# Altium PCB PowerTowerAdapterUltraZohm.PcbDoc (part 2 of 2)
Units mm, origin at the board's own origin, x right, y up, seen from the top; angles counter-clockwise.
Board outline 164 x 103.5 mm, 4 copper layers (Top Copper, Ground Plane 2, Ground Plane, Bottom Copper), stack 1.605 mm thick; 131 components, 138 nets, 436 pads, 107 vias.
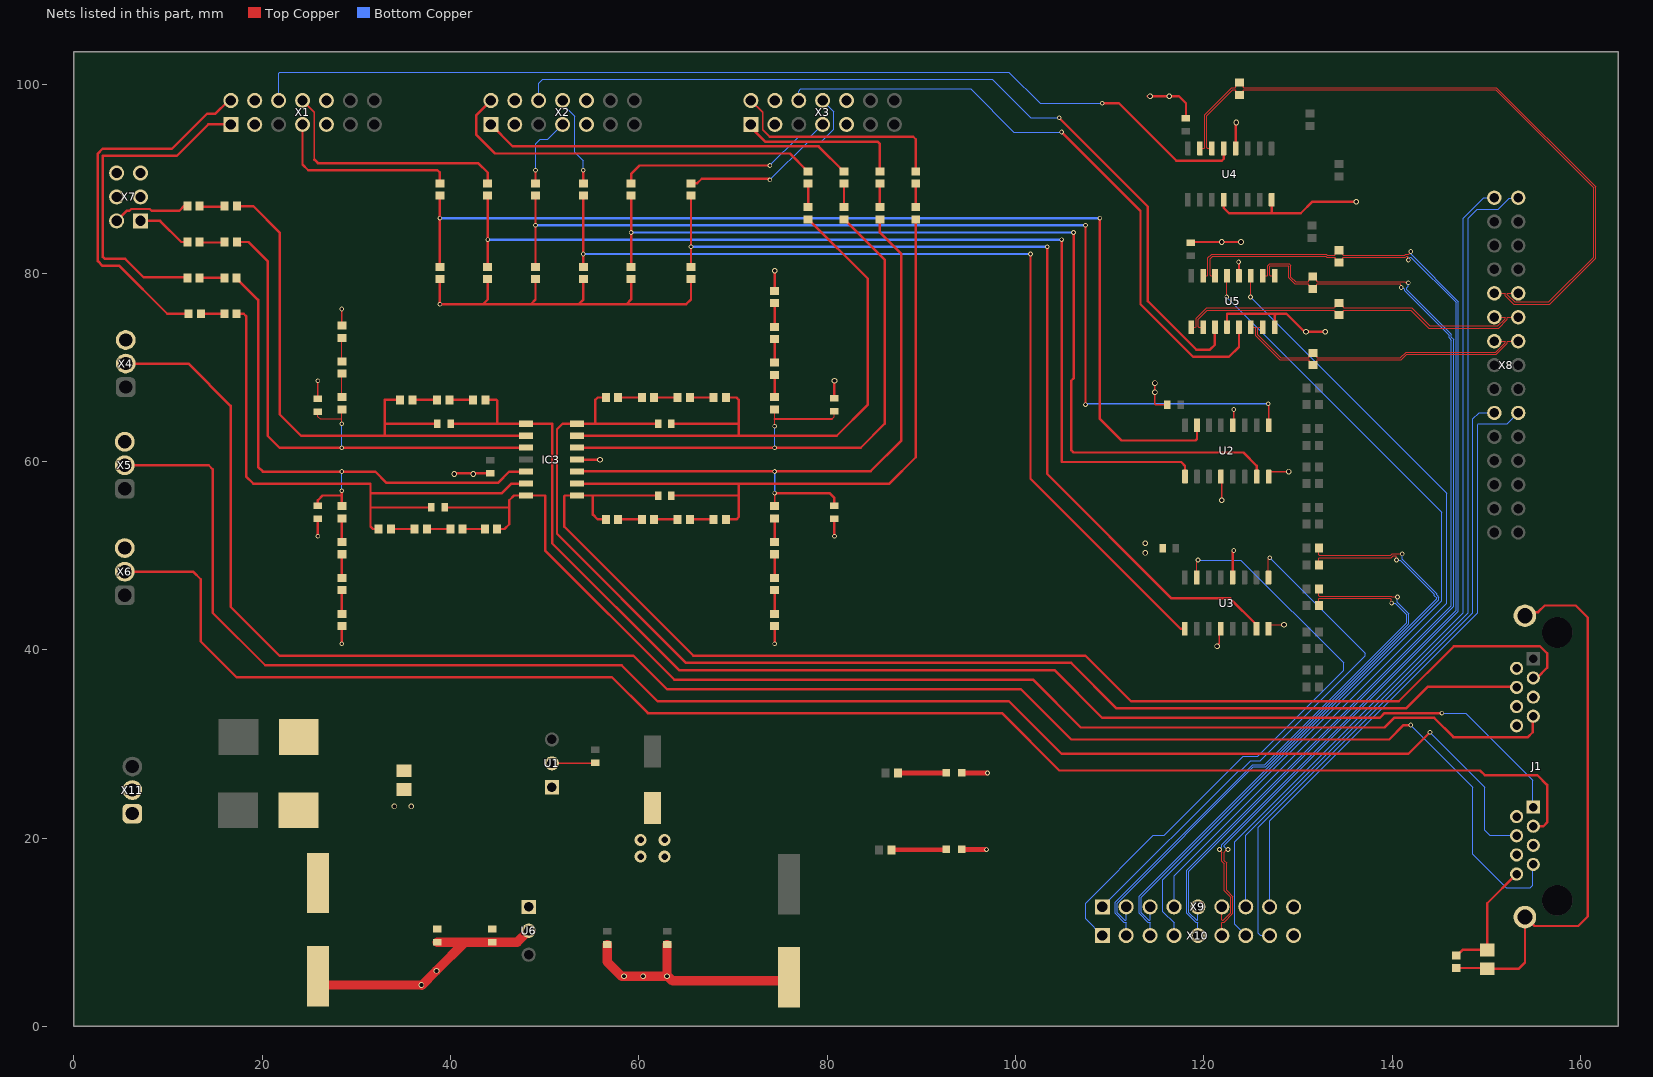
[diagram p4: the nets of this part, all layers, seen from the top]

## Via types
v1: diameter 0.5, hole 0.3, Top Copper to Bottom Copper, 62 vias
v2: diameter 0.6, hole 0.4, Top Copper to Bottom Copper, 36 vias
v3: diameter 1.27, hole 0.711, Top Copper to Bottom Copper, 4 vias
v4: diameter 5.016, hole 4, Top Copper to Bottom Copper, 4 vias
v5: diameter 4, hole 4, Top Copper to Bottom Copper, 1 vias

## Nets (pads, with @x,y where several pads share a name; then routed paths per layer and width w, separated by ;. In a path a pad name is that pad's centre, name@x,y a point inside that pad or via, vN(x,y) a via of type N, cw(c..) or ccw(c..) an arc to the next point about the centre after c; other vN are vias at no path point) (continued)
G4: U4.13 X1.6 | length 108.4
  Top Copper w0.254: v1(109.22,98.044) 110.998,98.044 117.094,91.948 121.92,91.948 122.12,92.148 U4.13@122.12,93.25
  Bottom Copper w0.13: X1.6@21.74,98.34 21.74,101.239 21.85,101.349 99.308,101.349 102.613,98.044 v1(109.22,98.044)
G4_N: R66.1 U4.15 X8.20 | length 72.7
  Top Copper w0.101: U4.15@119.58,93.25 120.042,93.25 120.101,93.309 120.101,96.827 122.988,99.714 123.336,99.714 123.395,99.773 123.395,99.875 123.769,100.25 R66.1@123.8,100.25 123.831,100.25 124.205,99.875 124.205,99.773 124.264,99.714 151.086,99.714 161.64,89.16 161.64,81.606 156.752,76.718 152.922,76.718 152.016,77.624 152.016,77.801 151.957,77.86 X8.20@150.86,77.86
G4_P: R66.2 U4.14 X8.5 | length 71.2
  Top Copper w0.101: U4.14@120.85,93.25 120.388,93.25 120.329,93.309 120.329,96.733 123.082,99.486 123.336,99.486 123.395,99.427 123.395,99.325 123.769,98.95 R66.2@123.8,98.95 123.831,98.95 124.205,99.325 124.205,99.427 124.264,99.486 150.992,99.486 161.412,89.066 161.412,81.7 156.658,76.945 153.016,76.945 152.244,77.718 152.244,77.801 152.303,77.86 X8.5@153.4,77.86
G5: U5.3 X2.6 | length 93.7
  Top Copper w0.254: v1(104.648,96.52) 104.648,96.477 114.046,87.079 114.046,77.038 114.413,76.671 119.202,71.882 120.65,71.882 121.158,72.39 121.158,74.238 U5.3@121.195,74.275
  Bottom Copper w0.13: X2.6@49.36,98.34 49.36,100.16 49.784,100.584 97.536,100.584 101.6,96.52 v1(104.648,96.52)
G5_N: R62.1 U5.1 X8.21 | length 37.7
  Top Copper w0.101: U5.1@118.655,74.275 119.117,74.275 119.176,74.334 119.176,75.197 120.293,76.314 133.882,76.314 133.941,76.373 133.941,76.475 134.316,76.85 134.416,76.85 134.791,76.475 134.791,76.373 134.85,76.314 142.091,76.314 143.999,74.405 151.244,74.405 152.016,75.178 152.016,75.261 151.957,75.32 X8.21@150.86,75.32
G5_P: R62.2 U5.2 X8.6 | length 37.7
  Top Copper w0.101: U5.2@119.925,74.275 119.463,74.275 119.404,74.334 119.404,75.103 120.387,76.086 133.882,76.086 133.941,76.027 133.941,75.925 134.316,75.55 134.416,75.55 134.791,75.925 134.791,76.027 134.85,76.086 141.996,76.086 143.905,74.178 151.338,74.178 152.244,75.084 152.244,75.261 152.303,75.32 X8.6@153.4,75.32
G6: U5.5 X3.6 | length 68
  Top Copper w0.254: v1(104.902,94.996) 113.284,86.614 113.284,76.708 118.872,71.12 122.682,71.12 123.735,72.173 U5.5@123.735,74.275
  Bottom Copper w0.13: X3.6@76.98,98.34 76.962,98.358 76.962,99.314 77.216,99.568 95.25,99.568 99.822,94.996 v1(104.902,94.996)
G6_N: R64.1 U5.7 X8.22 | length 31.1
  Top Copper w0.101: U5.7@126.275,74.275 125.813,74.275 125.754,74.216 125.754,73.447 128.187,71.014 131.136,71.014 131.195,71.073 131.195,71.175 131.569,71.55 R64.1@131.6,71.55 131.631,71.55 132.005,71.175 132.005,71.073 132.064,71.014 140.882,71.014 141.478,71.61 150.988,71.61 152.016,72.638 152.016,72.721 151.957,72.78 X8.22@150.86,72.78
G6_P: R64.2 U5.6 X8.7 | length 31.8
  Top Copper w0.101: U5.6@125.005,74.275 125.467,74.275 125.526,74.216 125.526,73.353 128.093,70.786 131.136,70.786 131.195,70.727 131.195,70.625 131.569,70.25 R64.2@131.6,70.25 131.631,70.25 132.005,70.625 132.005,70.727 132.064,70.786 140.977,70.786 141.573,71.382 151.082,71.382 152.244,72.544 152.244,72.721 152.303,72.78 X8.7@153.4,72.78
GND: C1.1 C2.1 C3.2 C4.1 C5.1 C6.1 C7.1 C8.2 C9.2 C10.1 C11.1 C12.1 C13.1 C14.1 C18.2 C19.2 C20.1 C23.2 C24.2 D2.1 D3.1 IC3.11 J1.A2 J1.A5 J1.A6 J1.A8 J1.B2 J1.B5 J1.B6 J1.B8 R3.2 R5.2 R7.2 R9.2 R11.2 R13.2 R18.2 R19.2 R58.2 R59.2 R85.1 U1.2 U2.4 U2.8 U2.12 U3.4 U3.8 U3.12 U4.4 U4.8 U4.12 U5.4 U5.8 U5.12 U6.2 X1.3 X1.4 X1.9 X1.10 X2.3 X2.4 X2.9 X2.10 X3.3 X3.4 X3.9 X3.10 X4.3 X5.3 X6.3 X7.3 X7.4 X9.9 X10.9 X11.1 X11.2 | length 205.6
  Top Copper w0.13: U3.8@126.873,42.233 126.873,42.437 127.108,42.672 v2(128.524,42.672)
  Top Copper w0.15: C18.2@25.908,66.678 v1(25.908,68.58) ; R19.2@28.448,74.422 v1(28.448,76.2) ; U1.2@50.764,27.94 55.31,27.94 C2.1@55.372,28.002 ; v1@96.898,18.796 v1(96.914,18.78) ; v2@114.808,68.58 v2(114.808,67.354) 114.808,66.128 114.896,66.04 C4.1@116.14,66.04 ; v2(121.412,40.386) 121.412,40.508 121.619,40.715 121.619,42.059 U3.4@121.793,42.233 ; U2.4@121.82,58.4 121.92,58.3 v2(121.92,55.88) ; U2.12@123.09,63.85 123.19,63.95 v1(123.19,65.532) ; U2.8@126.9,58.4 126.9,58.703 127.125,58.928 v2(129.032,58.928)
  Top Copper w0.254: v1(25.908,52.07) C23.2@25.908,53.91 ; v1(28.448,40.64) R58.2@28.448,42.53 ; R3.2@38.862,79.36 v1(38.862,76.708) 43.434,76.708 ; v2@40.386,58.736 C20.1@44.196,58.736 ; R5.2@43.942,79.36 43.942,77.216 43.434,76.708 ; R7.2@49.022,79.36 49.022,77.216 48.514,76.708 ; IC3.11@53.43,60.198 v2(55.88,60.198) ; R9.2@54.102,79.36 54.102,77.216 53.594,76.708 ; R11.2@59.182,79.36 59.182,77.216 58.674,76.708 ; R13.2@65.532,79.36 65.532,77.216 65.024,76.708 58.674,76.708 ; v1(74.422,40.64) R59.2@74.422,42.53 ; R18.2@74.422,78.12 v2(74.422,80.264) ; v1(80.772,52.07) C24.2@80.772,53.91 ; C19.2@80.772,66.74 v2(80.772,68.58) ; v2@114.046,98.806 v2(114.3,98.806) v2(116.332,98.806) 117.348,98.806 118.11,98.044 C7.1@118.11,96.458 ; C6.1@118.618,83.25 118.68,83.312 v2(121.92,83.312) 123.84,83.312 v2@123.952,83.2 ; U4.4@122.12,87.8 122.12,86.922 122.682,86.36 127.174,86.36 ; U5.4@122.465,74.275 122.465,75.692 127.725,75.692 ; U3.12@123.063,47.683 123.063,50.419 v1(123.19,50.546) ; U4.12@123.39,93.25 123.39,95.958 v2(123.444,96.012) ; v1(123.7,81.2) 123.735,81.165 U5.12@123.735,79.725 ; U4.8@127.2,87.8 127.2,86.386 127.174,86.36 ; U5.8@127.545,74.275 127.545,75.512 127.725,75.692 ; v2(132.896,73.784) v2(130.864,73.784) 130.686,73.784 128.778,75.692 127.725,75.692 ; v2(136.2,87.6) 131.542,87.6 130.302,86.36 127.174,86.36 ; R85.1@146.812,7.508 146.862,7.508 147.482,8.128 150.098,8.128 C14.1@150.114,8.112 150.114,13.08 J1.A8@153.222,16.188 ; 43.434,76.708 48.514,76.708 ; 48.514,76.708 53.594,76.708 ; 53.594,76.708 58.674,76.708
  Top Copper w0.5: D3.1@94.272,18.796 v1@96.898,18.796 ; D2.1@94.272,26.924 v1(97.028,26.924)
  Top Copper w1: C9.2@25.908,5.334 25.908,5.075 26.583,4.4 v2(36.9,4.4) ; v2@36.938,4.362 v2@38.488,5.912 ; v2(38.5,5.9) v2@38.488,5.912 ; C10.1@38.608,8.952 41.529,8.952 ; U6.2@48.296,10.16 47.088,8.952 C11.1@44.45,8.952 41.529,8.952 ; C12.1@56.642,8.698 56.642,6.858 58.166,5.334 v2(58.42,5.334) v2(60.452,5.334) 62.904,5.334 v2@62.992,5.422 ; C13.1@62.992,8.698 v2@62.992,5.422 ; C8.2@75.946,5.21 75.572,4.836 63.578,4.836 v2@62.992,5.422 ; v2@38.488,5.912 41.529,8.952
  other v2: 62.992,5.334 34.036,23.368 35.814,23.368 113.792,50.292 113.792,51.308 40.386,58.674 42.418,58.674 114.808,68.326 123.952,83.312
  other v3: 60.198,18.034 62.738,18.034 60.198,19.812 62.738,19.812
I_U: J1.A7 X4.2 | length 192.8
  Top Copper w0.254: X4.2@5.5,70.4 12.15,70.4 16.637,65.913 16.637,44.577 21.844,39.37 59.436,39.37 62.992,35.814 100.584,35.814 105.918,30.48 139.7,30.48 141.224,32.004 v1(141.986,32.004)
  Bottom Copper w0.13: v1(141.986,32.004) 148.59,25.4 148.59,18.288 152.146,14.732 154.686,14.732 154.94,14.986 154.94,17.144 J1.A7@155,17.204
I_V: J1.A4 X5.2 | length 177.6
  Top Copper w0.254: X5.2@5.4,59.6 14.314,59.6 14.732,59.182 14.732,43.942 20.32,38.354 58.166,38.354 61.976,34.544 99.314,34.544 104.902,28.956 141.732,28.956 v1(144.018,31.242)
  Bottom Copper w0.13: v1(144.018,31.242) 149.86,25.4 149.86,20.828 150.368,20.32 153.154,20.32 J1.A4@153.222,20.252
I_W: J1.A3 X6.2 | length 170
  Top Copper w0.254: X6.2@5.4,48.3 12.7,48.3 12.7,48.26 13.462,47.498 13.462,40.894 17.272,37.084 57.15,37.084 60.96,33.274 98.552,33.274 104.648,27.178 149.352,27.178 149.86,26.67 155.448,26.67 156.464,25.654 156.464,21.666 156.066,21.268 J1.A3@155,21.268
IN_U3C: U3.9 X9.1 | length 55.8
  Top Copper w0.13: U3.9@126.873,47.683 126.873,49.657 v1(127,49.784)
  Bottom Copper w0.13: X9.1@109.22,12.7 123.698,27.178 123.952,27.178 124.968,28.194 125.984,28.194 137.16,39.37 137.16,39.624 v1(127,49.784)
IN_U3D: U3.15 X10.1 | length 64.5
  Top Copper w0.13: U3.15@119.253,47.683 119.253,49.403 v1(119.38,49.53)
  Bottom Copper w0.13: X10.1@109.22,9.652 107.442,11.43 107.442,13.081 114.655,20.294 115.798,20.294 124.206,28.702 125.73,28.702 134.874,37.846 134.874,38.608 123.952,49.53 v1(119.38,49.53)
IN_U5C_N: R79.1 U5.9 X10.5 | length 101.3
  Top Copper w0.101: U5.9@127.545,79.725 127.083,79.725 127.024,79.784 127.024,80.713 127.083,80.772 128.973,80.772 129.032,80.713 129.032,79.502 129.654,78.88 131.108,78.88 131.167,78.821 131.167,78.719 131.541,78.344 R79.1@131.572,78.344 131.603,78.344 131.977,78.719 131.977,78.821 132.036,78.88 140.911,78.88 140.911,78.545 v1(140.97,78.486)
  Bottom Copper w0.101: X10.5@119.38,9.652 119.38,11.003 119.321,11.062 119.144,11.062 118.2,12.006 118.2,16.6 146.304,44.704 146.304,72.898 146.076,73.126 146.076,73.406 141.326,78.157 141.326,78.325 141.241,78.41 141.046,78.41 v1(140.97,78.486)
IN_U5C_P: R79.2 U5.10 X9.5 | length 102
  Top Copper w0.101: U5.10@126.275,79.725 126.737,79.725 126.796,79.784 126.796,80.807 126.988,81 129.067,81 129.26,80.807 129.26,79.596 129.748,79.108 131.108,79.108 131.167,79.167 131.167,79.269 131.541,79.644 R79.2@131.572,79.644 131.603,79.644 131.977,79.269 131.977,79.167 132.036,79.108 141.356,79.108 141.47,78.994 v1(141.732,78.994)
  Bottom Copper w0.101: X9.5@119.38,12.7 119.38,11.349 119.321,11.29 119.238,11.29 118.427,12.1 118.427,16.506 146.532,44.61 146.532,72.992 146.304,73.22 146.304,73.5 141.553,78.251 141.553,78.461 141.732,78.64 v1(141.732,78.994)
IN_U5D_N: R80.1 U5.15 X10.6 | length 111.4
  Top Copper w0.101: U5.15@119.925,79.725 120.387,79.725 120.446,79.784 120.446,81.628 120.833,82.016 133.026,82.016 133.14,81.902 133.902,81.902 133.961,81.961 133.961,82.063 134.335,82.438 R80.1@134.366,82.438 134.397,82.438 134.771,82.063 134.771,81.961 134.83,81.902 137.681,81.902 141.325,81.902 141.437,82.014 141.762,82.014 141.986,82.237 v1(141.986,82.296) ; X10.6@121.92,9.652 121.92,11.003 121.979,11.062 122.156,11.062 123.1,12.006 123.1,13.798 122.419,14.48 122.419,17.359 122.161,17.617 122.161,18.507 122.45,18.796 v1(122.566,18.796)
  Bottom Copper w0.101: v1(122.566,18.796) 122.45,18.796 122.161,19.085 122.161,19.223 147.04,44.102 147.04,76.992 142.044,81.988 142.044,82.238 v1(141.986,82.296)
IN_U5D_P: R80.2 U5.14 X9.6 | length 110.1
  Top Copper w0.101: U5.14@121.195,79.725 120.733,79.725 120.674,79.784 120.674,81.534 120.928,81.788 132.932,81.788 133.045,81.674 133.902,81.674 133.961,81.615 133.961,81.513 134.335,81.138 R80.2@134.366,81.138 134.397,81.138 134.771,81.513 134.771,81.615 134.83,81.674 137.775,81.674 141.419,81.674 141.531,81.786 141.624,81.786 141.682,81.727 141.682,81.461 v1(141.732,81.411) ; v1(121.666,18.796) 121.666,18.774 121.933,18.507 121.933,17.523 122.191,17.265 122.191,14.386 122.873,13.704 122.873,12.1 122.062,11.29 121.979,11.29 121.92,11.349 X9.6@121.92,12.7
  Bottom Copper w0.101: v1(121.666,18.796) 121.666,18.818 121.933,19.085 121.933,19.317 146.812,44.196 146.812,76.898 142.008,81.702 141.925,81.702 141.732,81.509 v1(141.732,81.411)
NetC1_2: C1.2 F1.2 U1.1
NetC9_1: C9.1 C10.2 C11.2 F2.2 U6.1
NetC14_2: C14.2 J1.S1 J1.S2 R85.2 | length 59.3
  Top Copper w0.254: R85.2@146.812,6.208 150.018,6.208 C14.2@150.114,6.112 153.432,6.112 154.111,6.791 J1.S1@154.111,11.616 154.188,11.616 155.136,10.668 159.766,10.668 160.782,11.684 160.782,43.434 159.512,44.704 156.21,44.704 155.506,44 154.491,44 J1.S2@154.111,43.62
NetD2_2: D2.2 R60.1 | length 5.2
  Top Copper w0.5: R60.1@87.518,26.924 D2.2@92.672,26.924
NetD3_2: D3.2 R1.1 | length 6
  Top Copper w0.15: D3.2@92.572,18.896 D3.2@92.672,18.796
  Top Copper w0.5: R1.1@86.828,18.76 86.846,18.778 92.554,18.778 D3.2@92.622,18.846
NetR2_2: R2.2 R3.1 U2.15 | length 111.8
  Top Copper w0.254: R3.1@38.862,80.66 R2.2@38.862,88.25 ; v1(108.966,85.852) 108.966,64.516 111.252,62.23 119.126,62.23 119.28,62.384 U2.15@119.28,63.85
  Bottom Copper w0.254: v1(38.862,85.852) v1(108.966,85.852)
NetR4_2: R4.2 R5.1 U2.1 | length 106.6
  Top Copper w0.254: R5.1@43.942,80.66 R4.2@43.942,88.25 ; v1(104.902,83.566) 104.902,59.944 117.602,59.944 118.01,59.536 U2.1@118.01,58.4
  Bottom Copper w0.254: v1(43.942,83.566) v1(104.902,83.566)
NetR6_2: R6.2 R7.1 U2.9 | length 106.8
  Top Copper w0.15: v1(126.846,66.14) 126.9,65.832 U2.9@126.9,63.85
  Top Copper w0.254: R7.1@49.022,80.66 R6.2@49.022,88.25 ; v1(107.442,66.04) v1(107.442,85.09)
  Bottom Copper w0.15: v1(107.442,66.04) 107.513,66.111 126.817,66.111 v1(126.846,66.14)
  Bottom Copper w0.254: v1(49.022,85.09) v1(107.442,85.09)
NetR8_2: R8.2 R9.1 U3.1 | length 101.9
  Top Copper w0.254: R9.1@54.102,80.66 R8.2@54.102,88.25 ; v1(101.6,82.042) 101.6,58.166 117.533,42.233 U3.1@117.983,42.233
  Bottom Copper w0.254: v1(54.102,82.042) v1(101.6,82.042)
NetR10_2: R10.2 R11.1 U2.7 | length 99.3
  Top Copper w0.254: R11.1@59.182,80.66 R10.2@59.182,88.25 ; v1(106.172,84.328) 106.172,68.834 105.918,68.58 105.918,61.214 106.172,60.96 124.206,60.96 125.63,59.536 U2.7@125.63,58.4
  Bottom Copper w0.254: v1(59.182,84.328) v1(106.172,84.328)
NetR12_2: R12.2 R13.1 U3.7 | length 98.9
  Top Copper w0.254: R13.1@65.532,80.66 R12.2@65.532,88.25 ; v1(103.378,82.804) 103.378,58.674 116.586,45.466 122.795,45.466 125.603,42.658 U3.7@125.603,42.233
  Bottom Copper w0.254: v1(65.532,82.804) v1(103.378,82.804)
NetR14_2: R14.2 R15.1 | length 2.8
  Top Copper w0.254: R14.2@13.35,83.312 13.35,83.262 16.002,83.262 R15.1@16.002,83.312
NetR16_2: R16.2 R17.1 | length 2.8
  Top Copper w0.254: R16.2@13.35,87.122 13.35,87.072 16.002,87.072 R17.1@16.002,87.122
NetR18_1: R18.1 R20.2 | length 2.5
  Top Copper w0.254: R20.2@74.422,74.31 R18.1@74.422,76.82
NetR19_1: R19.1 R41.2 | length 2.5
  Top Copper w0.13: R41.2@28.448,70.642 R19.1@28.448,73.122
NetR20_1: R20.1 R40.2 | length 2.5
  Top Copper w0.254: R40.2@74.422,70.5 R20.1@74.422,73.01
NetR21_2: R21.2 R22.1 | length 2.5
  Top Copper w0.254: R21.2@57.8,66.802 R22.1@60.31,66.802
NetR22_2: R22.2 R23.1 | length 2.5
  Top Copper w0.254: R22.2@61.61,66.802 R23.1@64.12,66.802
NetR23_2: R23.2 R24.1 | length 2.5
  Top Copper w0.254: R23.2@65.42,66.802 R24.1@67.93,66.802
NetR25_2: R25.2 R26.1 | length 2.6
  Top Copper w0.254: R25.2@35.956,66.548 R26.1@38.578,66.548
NetR26_2: R26.2 R27.1 | length 2.5
  Top Copper w0.254: R26.2@39.878,66.548 R27.1@42.388,66.548
NetR28_2: R28.2 R29.1 | length 2.6
  Top Copper w0.254: R28.2@13.35,79.502 R29.1@15.972,79.502
NetR30_2: R30.2 R31.1 | length 2.5
  Top Copper w0.254: R30.2@13.492,75.692 R31.1@15.972,75.692
NetR32_2: R32.2 R33.1 | length 2.5
  Top Copper w0.254: R33.1@81.788,87.01 R32.2@81.788,89.52
NetR34_2: R34.2 R35.1 | length 2.5
  Top Copper w0.254: R35.1@77.978,87.01 R34.2@77.978,89.52
NetR36_2: R36.2 R37.1 | length 2.5
  Top Copper w0.254: R37.1@85.598,87.01 R36.2@85.598,89.52
NetR38_2: R38.2 R39.1 | length 2.5
  Top Copper w0.254: R39.1@89.408,87.01 R38.2@89.408,89.52
NetR40_1: R40.1 R42.2 | length 2.4
  Top Copper w0.254: R42.2@74.422,66.832 R40.1@74.422,69.2
NetR41_1: R41.1 R43.2 | length 2.5
  Top Copper w0.13: R43.2@28.448,66.832 R41.1@28.448,69.342
NetR44_2: R44.2 R46.1 | length 2.5
  Top Copper w0.254: R46.1@28.448,51.45 R44.2@28.448,53.96
NetR45_2: R45.2 R47.1 | length 2.5
  Top Copper w0.254: R47.1@74.422,51.45 R45.2@74.422,53.96
NetR46_2: R46.2 R52.1 | length 2.5
  Top Copper w0.254: R52.1@28.448,47.64 R46.2@28.448,50.15
NetR47_2: R47.2 R53.1 | length 2.5
  Top Copper w0.254: R53.1@74.422,47.64 R47.2@74.422,50.15
NetR48_2: R48.2 R49.1 | length 2.5
  Top Copper w0.254: R48.2@33.67,52.832 R49.1@36.18,52.832
NetR49_2: R49.2 R50.1 | length 2.5
  Top Copper w0.254: R49.2@37.48,52.832 R50.1@39.99,52.832
NetR50_2: R50.2 R51.1 | length 2.4
  Top Copper w0.254: R50.2@41.29,52.832 R51.1@43.658,52.832
NetR52_2: R52.2 R58.1 | length 2.5
  Top Copper w0.254: R58.1@28.448,43.83 R52.2@28.448,46.34
NetR53_2: R53.2 R59.1 | length 2.5
  Top Copper w0.254: R59.1@74.422,43.83 R53.2@74.422,46.34
NetR54_2: R54.2 R55.1 | length 2.5
  Top Copper w0.254: R54.2@57.8,53.848 R55.1@60.31,53.848
NetR55_2: R55.2 R56.1 | length 2.5
  Top Copper w0.254: R55.2@61.61,53.848 R56.1@64.12,53.848
NetR56_2: R56.2 R57.1 | length 2.5
  Top Copper w0.254: R56.2@65.42,53.848 R57.1@67.93,53.848
NetX8_1: X8.1 X9.7 | length 89.2
  Bottom Copper w0.13: X9.7@124.46,12.7 124.46,20.32 148.082,43.942 148.082,85.852 149.033,86.803 151.279,86.803 152.443,87.967 153.347,87.967 X8.1@153.4,88.02
NetX8_10: X8.10 X9.8 | length 65.2
  Bottom Copper w0.13: X9.8@127,12.7 127,21.844 149.093,43.937 149.093,63.927 149.169,64.003 152.243,64.003 X8.10@153.4,65.16
NetX8_16: X8.16 X10.7 | length 90.9
  Bottom Copper w0.13: X10.7@124.46,9.652 123.265,10.847 123.265,19.633 147.574,43.942 147.574,85.852 149.742,88.02 X8.16@150.86,88.02
NetX8_25: X8.25 X10.8 | length 67.9
  Bottom Copper w0.13: X10.8@127,9.652 126.945,9.707 126.005,9.707 125.805,9.907 125.805,21.157 148.59,43.942 148.59,64.516 149.234,65.16 X8.25@150.86,65.16
Out_U: C21.1 IC3.7 J1.B7 R51.2 | length 136.6
  Top Copper w0.254: C21.1@39.37,55.118 46.228,55.118 ; R51.2@44.958,52.832 45.72,52.832 46.228,53.34 46.228,55.118 ; J1.B7@155,32.952 154.94,32.892 154.94,31.242 154.432,30.734 146.515,30.734 144.483,32.766 140.208,32.766 139.192,31.75 106.934,31.75 101.854,36.83 63.754,36.83 50.038,50.546 50.038,56.388 IC3.7@48.006,56.388 46.736,56.388 46.228,55.88 46.228,55.118
Out_U3C_N: R82.2 X10.2 | length 59.3
  Top Copper w0.101: R82.2@132.222,44.704 132.222,45.42 132.281,45.479 139.805,45.479 139.933,45.351 139.933,44.979 v1(139.954,44.958)
  Bottom Copper w0.101: X10.2@111.76,9.652 111.76,11.003 111.701,11.062 111.524,11.062 110.58,12.006 110.58,13.189 125.184,27.793 126.464,27.793 141.537,42.867 141.537,43.747 140.347,44.937 139.975,44.937 v1(139.954,44.958)
Out_U3C_P: R81.2 X9.2 | length 59.5
  Top Copper w0.101: R81.2@132.222,46.482 132.222,45.766 132.281,45.707 139.899,45.707 139.99,45.616 v1(140.57,45.616)
  Bottom Copper w0.101: X9.2@111.988,12.7 111.76,12.472 111.76,11.349 111.701,11.29 111.618,11.29 110.807,12.1 110.807,13.095 125.278,27.566 126.558,27.566 141.765,42.772 141.765,43.841 140.57,45.036 v1(140.57,45.616)
Out_U3D_N: R84.2 X10.3 | length 65
  Top Copper w0.101: R84.2@132.222,49.022 132.222,49.738 132.281,49.797 139.935,49.797 140.12,49.982 140.382,49.982 140.441,49.923 140.441,49.551 v1(140.462,49.53)
  Bottom Copper w0.101: X10.3@114.3,9.652 114.3,11.003 114.241,11.062 114.064,11.062 113.12,12.006 113.12,13.806 144.738,45.424 144.738,45.508 144.483,45.763 144.483,45.881 140.855,49.509 140.483,49.509 v1(140.462,49.53)
Out_U3D_P: R83.2 X9.3 | length 65.1
  Top Copper w0.101: R83.2@132.222,50.8 132.222,50.084 132.281,50.025 139.841,50.025 140.026,50.21 140.476,50.21 140.498,50.188 v1(141.078,50.188)
  Bottom Copper w0.101: X9.3@114.3,12.7 114.3,11.349 114.241,11.29 114.158,11.29 113.347,12.1 113.347,13.712 144.966,45.33 144.966,45.602 144.721,45.847 144.721,45.965 141.078,49.608 v1(141.078,50.188)
Out_U5C: U5.11 X9.4 | length 87.7
  Top Copper w0.13: v1(124.968,77.47) 125.005,77.507 U5.11@125.005,79.725
  Bottom Copper w0.13: X9.4@116.84,12.7 116.84,16.002 145.799,44.961 145.799,56.639 v1(124.968,77.47)
Out_U5D: U5.13 X10.4 | length 92.3
  Top Copper w0.13: v1(122.428,77.47) 122.465,77.507 U5.13@122.465,79.725
  Bottom Copper w0.13: X10.4@116.84,9.652 116.84,11.01 115.645,12.205 115.645,15.569 145.288,45.212 145.288,54.61 v1(122.428,77.47)
Out_UZK: C16.2 IC3.1 J1.A1 R27.2 | length 145.1
  Top Copper w0.254: C16.2@40.008,64.008 44.958,64.008 ; R27.2@43.688,66.548 44.882,66.548 44.958,66.472 44.958,64.008 ; v1(145.288,33.274) 145.285,33.277 145.282,33.274 139.192,33.274 138.687,32.769 109.217,32.769 104.14,37.846 64.262,37.846 50.8,51.308 50.8,64.008 IC3.1@48.006,64.008 44.958,64.008
  Bottom Copper w0.13: v1(145.288,33.274) 147.828,33.274 154.94,26.162 154.94,23.36 J1.A1@155,23.3
Out_V: C17.1 IC3.14 J1.B4 R21.1 | length 136.4
  Top Copper w0.254: R21.1@56.5,66.802 55.626,66.802 55.372,66.548 55.372,64.084 55.296,64.008 ; C17.1@62.038,64.008 55.296,64.008 ; J1.B4@153.222,36 153.154,36.068 143.764,36.068 141.478,33.782 110.744,33.782 105.918,38.608 65.024,38.608 51.308,52.324 51.308,63.424 51.892,64.008 IC3.14@53.43,64.008 55.296,64.008
Out_W: C22.2 IC3.8 J1.B3 R54.1 | length 135.1
  Top Copper w0.254: R54.1@56.5,53.848 55.626,53.848 55.118,54.356 55.118,56.388 ; C22.2@62.038,56.388 55.118,56.388 ; J1.B3@155,37.016 155.38,37.016 156.464,38.1 156.464,39.63 155.708,40.386 146.558,40.386 140.716,34.544 112.268,34.544 107.442,39.37 65.786,39.37 52.07,53.086 52.07,56.312 52.146,56.388 IC3.8@53.43,56.388 55.118,56.388
U_Bot_Fault: R4.1 X1.8 | length 26.9
  Top Copper w0.15: X1.8@24.28,98.34 25.537,97.083 25.537,92.065
  Top Copper w0.254: 25.537,92.065 25.908,91.694 42.926,91.694 43.942,90.678 R4.1@43.942,89.55
U_Top_Fault: R2.1 X1.7 | length 20.3
  Top Copper w0.254: X1.7@24.28,95.8 24.28,91.544 24.892,90.932 38.608,90.932 38.862,90.678 R2.1@38.862,89.55
U_ZK+: C18.1 IC3.3 R15.2 R43.1 | length 58.3
  Top Copper w0.13: C18.1@25.908,65.278 25.908,64.77 26.162,64.516 28.448,64.516 ; v1(28.448,64.008) 28.448,64.516 ; R43.1@28.448,65.532 28.448,64.516
  Top Copper w0.254: R15.2@17.662,82.952 R15.2@17.302,83.312 18.542,83.312 20.574,81.28 20.574,62.738 21.844,61.468 v1(28.448,61.468) IC3.3@48.006,61.468
  Bottom Copper w0.13: v1(28.448,61.468) v1(28.448,64.008)
U_ZK-: C16.1 IC3.2 R17.2 R25.1 | length 63.1
  Top Copper w0.254: R17.2@17.302,87.122 19.05,87.122 21.844,84.328 21.844,65.024 24.13,62.738 33.02,62.738 ; R25.1@34.656,66.548 33.02,66.548 33.02,64.008 ; C16.1@38.608,64.008 33.02,64.008 ; IC3.2@48.006,62.738 33.02,62.738 ; 33.02,62.738 33.02,64.008
UDC+: X7.5
UDC-: X7.6
UZK+: R14.1 X7.1 | length 5.9
  Top Copper w0.254: X7.1@7.07,85.56 9.156,85.56 11.404,83.312 R14.1@12.05,83.312
UZK-: R16.1 X7.2 | length 8.3
  Top Copper w0.254: X7.2@4.53,85.56 5.584,86.614 5.878,86.614 6.081,86.817 8.059,86.817 8.262,86.614 11.176,86.614 11.684,87.122 R16.1@12.05,87.122
V_Bot_Fault: R8.1 X2.8 | length 9.7
  Top Copper w0.254: R8.1@54.102,89.55 v1(54.102,90.932)
  Bottom Copper w0.13: X2.8@51.9,98.34 51.9,97.96 53.2,96.66 53.2,92.85 54.102,91.948 v1(54.102,90.932)
V_Top_Fault: R6.1 X2.7 | length 7.9
  Top Copper w0.254: R6.1@49.022,89.55 v1(49.022,90.932)
  Bottom Copper w0.13: v1(49.022,90.932) 49.022,93.726 49.53,94.234 50.334,94.234 X2.7@51.9,95.8
Volt_U+: C23.1 IC3.5 R29.2 R44.1 | length 57.7
  Top Copper w0.254: R29.2@17.272,79.502 17.272,79.452 19.558,77.166 19.558,59.433 20.066,58.925 20.066,58.928 v1(28.448,58.928) 32.004,58.928 33.203,57.729 45.029,57.729 46.228,58.928 IC3.5@48.006,58.928 ; C23.1@25.908,55.31 25.908,55.88 26.416,56.388 28.448,56.388 ; R44.1@28.448,55.26 28.448,56.388 ; v1(28.448,56.896) 28.448,56.388
  Bottom Copper w0.13: v1(28.448,56.896) v1(28.448,58.928)
Volt_U-: C21.2 IC3.6 R31.2 R48.1 | length 60.6
  Top Copper w0.254: R31.2@17.272,75.692 18.034,75.692 18.288,75.438 18.288,58.42 19.05,57.658 31.496,57.658 31.496,56.642 ; R48.1@32.37,52.832 31.75,52.832 31.496,53.086 31.496,55.118 ; C21.2@37.97,55.118 31.496,55.118 ; IC3.6@48.006,57.658 46.482,57.658 45.466,56.642 31.496,56.642 ; 31.496,55.118 31.496,56.642
Volt_U_Bot: R30.1 X1.2 | length 39.9
  Top Copper w0.254: R30.1@12.192,75.692 9.906,75.692 4.826,80.772 3.048,80.772 2.54,81.28 2.54,92.71 3.048,93.218 10.414,93.218 14.151,96.955 15.029,96.955 16.275,98.201 16.275,98.34 X1.2@16.66,98.34
Volt_U_Top: R28.1 X1.1 | length 35.6
  Top Copper w0.254: 3.048,92.456 3.048,81.738 3.148,81.637 3.249,81.537 5.44,81.537 7.421,79.557 11.995,79.557 R28.1@12.05,79.502 ; 3.058,92.456 10.922,92.456 14.266,95.8 X1.1@16.66,95.8
Volt_V+: C19.1 IC3.12 R33.2 R42.1 | length 68.3
  Top Copper w0.13: v1(74.422,63.754) 74.422,64.516 R42.1@74.422,65.532 ; 80.518,64.516 80.772,64.77 C19.1@80.772,65.34
  Top Copper w0.254: IC3.12@53.43,61.468 v1(74.422,61.468) 83.566,61.468 86.106,64.008 86.106,81.442 81.838,85.71 R33.2@81.788,85.71 ; 74.422,64.516 80.518,64.516
  Bottom Copper w0.13: v1(74.422,61.468) v1(74.422,63.754)
Volt_V-: C17.2 IC3.13 R24.2 R35.2 | length 67.1
  Top Copper w0.254: IC3.13@53.43,62.738 70.53,62.738 ; C17.2@63.438,64.008 70.612,64.008 ; R24.2@69.23,66.802 70.358,66.802 70.612,66.548 70.612,64.008 ; R35.2@77.978,85.71 78.028,85.71 84.328,79.41 84.328,66.04 81.026,62.738 70.53,62.738 ; 70.53,62.738 70.612,62.82 70.612,64.008
Volt_V_Bot: R34.1 X2.2 | length 41.1
  Top Copper w0.254: X2.2@44.28,98.34 42.74,96.8 42.74,94.674 44.704,92.71 76.038,92.71 77.928,90.82 R34.1@77.978,90.82
Volt_V_Top: R32.1 X2.1 | length 39.6
  Top Copper w0.254: X2.1@44.28,95.8 46.608,93.472 79.086,93.472 81.738,90.82 R32.1@81.788,90.82
Volt_W+: C24.1 IC3.10 R37.2 R45.1 | length 71.3
  Top Copper w0.15: R45.1@74.422,55.26 v1(74.422,56.642)
  Top Copper w0.254: IC3.10@53.43,58.928 53.485,58.983 84.637,58.983 87.884,62.23 87.884,82.042 85.598,84.328 R37.2@85.598,85.71 ; v1(74.422,56.642) 80.264,56.642 80.772,56.134 C24.1@80.772,55.31
  Bottom Copper w0.15: v1(74.422,56.642) v1(74.422,58.928)
Volt_W-: C22.1 IC3.9 R39.2 R57.2 | length 74.6
  Top Copper w0.254: IC3.9@53.43,57.658 70.612,57.658 ; C22.1@63.438,56.388 70.612,56.388 ; R57.2@69.23,53.848 70.358,53.848 70.612,54.102 70.612,56.388 ; R39.2@89.408,85.71 89.408,60.452 86.614,57.658 70.612,57.658 ; 70.612,56.388 70.612,57.658
Volt_W_Bot: R38.1 X3.2 | length 23.7
  Top Copper w0.15: X3.2@71.9,98.34 73.152,97.088 73.152,95.25 73.902,94.5
  Top Copper w0.254: 73.902,94.5 89.142,94.5 89.408,94.234 R38.1@89.408,90.82
Volt_W_Top: R36.1 X3.1 | length 17.6
  Top Copper w0.254: X3.1@71.9,95.8 71.9,95.486 73.406,93.98 85.344,93.98 85.598,93.726 R36.1@85.598,90.82
W_Bot_Fault: R12.1 X3.8 | length 21.2
  Top Copper w0.254: R12.1@65.532,89.55 66.182,89.55 66.672,90.04 73.79,90.04 v1(73.914,89.916)
  Bottom Copper w0.13: v1(73.914,89.916) 77.978,93.98 79.39,93.98 80.715,95.305 80.715,97.145 X3.8@79.52,98.34
W_Top_Fault: R10.1 X3.7 | length 23.5
  Top Copper w0.254: R10.1@59.182,89.55 59.182,90.542 60.08,91.44 v1(73.914,91.44)
  Bottom Copper w0.13: v1(73.914,91.44) 76.962,94.488 78.208,94.488 X3.7@79.52,95.8
pads on no net: J1.B1 J1.MH1 J1.MH2 X8.8 X8.23
copper on no net:
  other v4: 5,5 159.46,5 3.9,12.2 159.46,98.5
  other v5: 5,99.77

## Polygon pours and split planes (outlines as drawn)
3V3 on Top Copper "3V3_Polygone" (solid, remove dead copper, pour order 48): 163.576,0.762 163.322,1.016 163.322,101.6 104.394,101.6 103.9,101.6 99.568,97.79 99.568,45.974 70.358,16.764 70.358,1.016 70.612,0.762
24V on Top Copper "24V_Polygone" (solid, remove dead copper, pour order 50): 1.016,99.822 2.794,101.6 89.408,101.6 90.932,100.076 90.932,92.456 89.916,91.44 22.86,91.44 7.874,76.454 7.62,76.454 7.62,33.02 5.842,31.242 1.778,31.242 1.016,32.004
5V on Top Copper "5V_L01_P046" (solid, remove dead copper, pour order 46): 116.586,52.578 116.84,52.832 118.364,52.832 118.618,52.578 118.618,50.038 119.126,49.53 123.627,49.53 123.952,49.276 123.952,46.228 122.428,45.974 118.11,45.974 116.586,46.228
5V on Bottom Copper "5V_Polygone" (solid, remove dead copper, pour order 42): 0.508,0.508 0.508,102.108 163.576,102.108 163.576,0.508
GND on Ground Plane 2 (split plane): 163.49,0.51 0.51,0.51 0.51,102.99 163.49,102.99
GND on Ground Plane (split plane): 163.49,0.51 0.51,0.51 0.51,102.99 163.49,102.99

## Other copper
Top Copper:
  region net 5V: 58.928,31.496 75.946,31.496 76.2,31.242 76.2,29.464 75.946,29.21 58.928,29.21 58.674,29.464
  region net NetC9_1: 37.846,11.43 37.338,11.938 37.592,12.192 38.354,12.192
  region net 3V3: 66.548,12.954 69.088,15.494 77.216,15.494 77.47,15.748 77.47,17.78 77.216,18.034 67.818,18.034 64.516,14.732 63.754,14.732
  region net 24V: 5.08,26.924 5.404,26.6 6.788,26.6 7.874,27.686 6.096,29.464 6.096,32.568 5.334,33.161 1.665,33.161 1.27,32.766 1.27,30.48 5.15,26.6 5.728,26.6
  region net GND: 115.824,51.562 115.57,51.816 113.538,51.816 113.284,51.562 113.284,50.038 113.538,49.784 115.57,49.784 115.824,50.038
  region net GND: 33.528,25.908 33.274,25.654 33.274,22.86 33.528,22.606 36.576,22.606 36.83,22.86 36.83,25.654 36.576,25.908
  region net 5V: 51.562,29.464
  region net 5V: 50.038,29.972 50.038,31.242 50.292,31.496 58.928,31.496 58.928,29.313 50.8,29.464
  region net 3V3: 48.006,8.636 47.498,8.128 47.498,6.858 48.006,6.35 49.022,6.35 52.832,10.16 63.754,10.16 66.548,12.954 66.548,14.732 57.404,14.732
  region net GND: 58.928,24.638 59.436,25.146 62.992,25.146 63.754,24.384 63.754,17.526 63.246,17.018 59.436,17.018 58.928,17.526
  region net NetC9_1: 21.844,24.384 22.352,24.892 25.654,24.892 26.162,24.384 26.162,21.082 32.258,14.986 47.498,14.986 49.276,13.208 49.276,11.938 49.022,11.684 45.212,11.684 44.958,11.43 44.958,10.16 44.196,10.16 43.942,10.414 43.942,11.43 43.688,11.684 39.37,11.684 39.116,11.43 39.116,10.16 38.862,9.906 38.354,9.906 37.846,10.414 37.846,11.938 26.67,11.938 21.844,16.764
  region net NetC1_2: 21.844,32.258 22.352,32.766 43.434,32.766 49.796,26.404 51.828,26.404 52.07,26.162 52.07,24.638 51.816,24.384 49.022,24.384 44.196,29.21 21.844,29.21 36.83,29.21 35.814,26.67 34.29,26.67 34.29,26.924 34.29,27.178 33.528,28.702 22.352,28.702 21.844,29.21
  region net 24V: 10.668,26.924 10.668,28.448 9.652,28.448 9.144,27.94
  region net 24V: 19.304,24.892 19.558,24.638 19.558,21.336 19.304,21.082 12.446,21.082 6.928,26.6 5.404,26.6 5.08,26.924 5.08,28.448 5.334,28.448 5.842,28.956 8.636,28.956 12.7,24.892
  region net 24V: 5.842,29.21 5.08,28.448 5.08,26.924 5.404,26.6 7.734,26.6 11.43,28.448 19.05,28.448 19.812,29.21 19.812,32.512 19.304,33.02 11.43,33.02

## Silkscreen, mask and mechanical layers (free items; w line width, h text height)
Top Overlay:
  text "5V" at 9.906,67.31 h1
  text "5V" at 9.906,56.388 h1
  text "5V" at 9.906,45.212 h1
  text "1A" at 22.86,34.036 h1.52
  text "24V" at 5.842,33.274 h1 r270
  text "5V Power Supply" at 78.486,28.702 h1.52
  text "1A" at 23.114,25.908 h1.52
  text "PowerTower_AdapterUltrazohm / T.Wilfling / Rev. 1.1 / 23.06.2021" at 117.348,22.098 h2
  text "3V3 Power Supply" at 78.486,21.336 h1.52
  text "GND" at 5.842,19.558 h1 r270
  text "U3CP" at 111.252,18.034 h1 r270
  text "U3DP" at 113.792,18.034 h1 r270
  text "U5CP" at 118.872,18.034 h1 r270
  text "U5DP" at 121.412,18.034 h1 r270
  text "U3C" at 108.712,17.272 h1 r270
  text "U5C" at 116.332,17.272 h1 r270
  text "VIN" at 123.952,17.272 h1 r270
  text "15V" at 126.492,17.272 h1 r270
  text "GND" at 129.032,17.272 h1 r270
  text "U3D" at 108.712,7.62 h1 r270
  text "U3CN" at 111.252,7.62 h1 r270
  text "U3DN" at 113.792,7.62 h1 r270
  text "U5D" at 116.332,7.62 h1 r270
  text "U5CN" at 118.872,7.62 h1 r270
  text "U5DN" at 121.412,7.62 h1 r270
  text "GND_VIN" at 123.952,7.62 h1 r270
  text "GND_15V" at 126.492,7.62 h1 r270
  text "GND" at 129.032,7.62 h1 r270

## Dimensions
164,0 to 0,0 on Mechanical 1
164,103.5 to 164,0 on Mechanical 1

## Text inside footprints (layer, text, board x,y; h text height)
X1: Top Overlay "14" at 33.16,97.87 h1.02; Top Overlay "13" at 33.16,95.33 h1.02; Top Overlay "2" at 14.8,97.81 h1.02; Top Overlay "1" at 15.1,95.27 h1.02
X2: Top Overlay "14" at 60.78,97.87 h1.02; Top Overlay "13" at 60.78,95.33 h1.02; Top Overlay "2" at 42.42,97.81 h1.02; Top Overlay "1" at 42.72,95.27 h1.02
X3: Top Overlay "14" at 88.4,97.87 h1.02; Top Overlay "13" at 88.4,95.33 h1.02; Top Overlay "2" at 70.04,97.81 h1.02; Top Overlay "1" at 70.34,95.27 h1.02
X7: Top Overlay "1" at 7.6,84 h1.02 r90; Top Overlay "6" at 5,91.9 h1.02 r90; Top Overlay "2" at 5.06,83.7 h1.02 r90; Top Overlay "5" at 7.54,91.9 h1.02 r90